# Altium PCB Project_board_V3.0.PcbDoc (part 2 of 2)
Units mil, origin at the board's own origin, x right, y up, seen from the top; angles counter-clockwise.
Board outline 3937.01 x 3937.01 mil, 2 copper layers (Top Layer, Bottom Layer); 202 components, 148 nets, 781 pads, 340 vias.
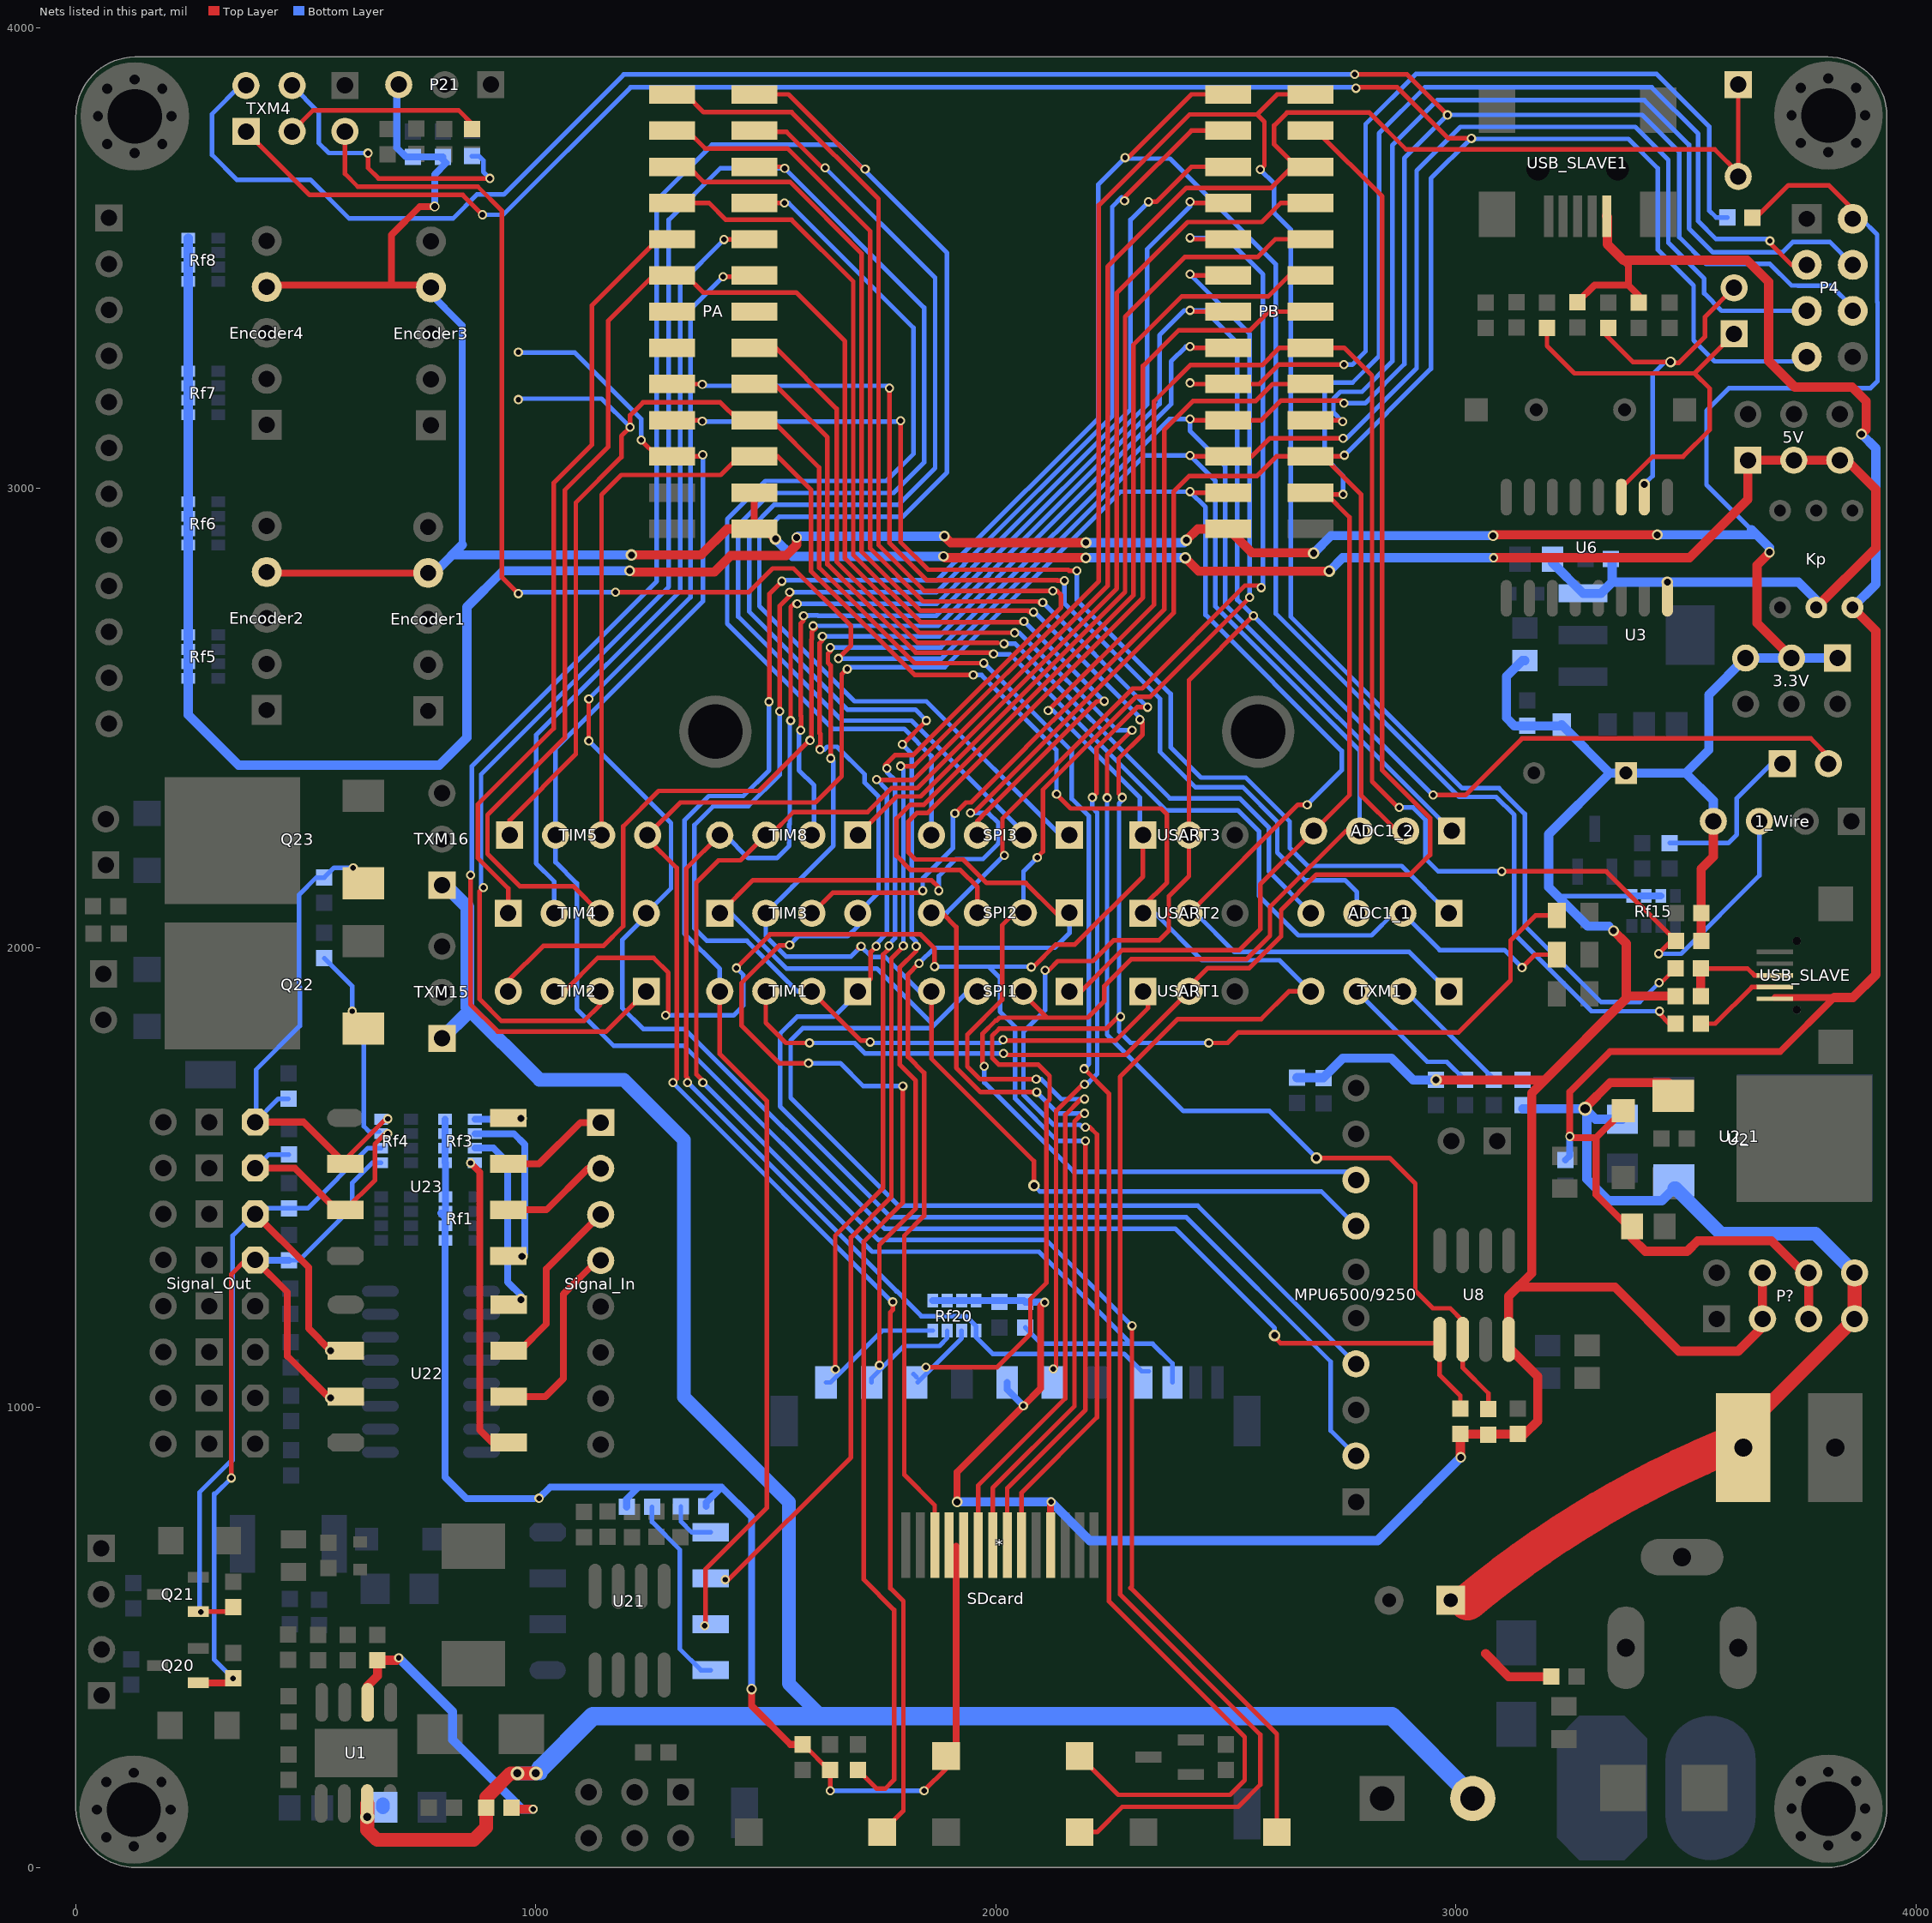
[diagram p2: the nets of this part, all layers, seen from the top]

## Via types
v1: diameter 20, hole 12, Top Layer to Bottom Layer, 222 vias
v2: diameter 25, hole 15, Top Layer to Bottom Layer, 33 vias
v3: diameter 20, hole 13, Top Layer to Bottom Layer, 25 vias
v4: diameter 23, hole 15, Top Layer to Bottom Layer, 15 vias
v5: diameter 18, hole 12, Top Layer to Bottom Layer, 12 vias
v6: diameter 22, hole 10, Top Layer to Bottom Layer, 12 vias
v7: diameter 30, hole 18, Top Layer to Bottom Layer, 10 vias
v8: diameter 23, hole 14, Top Layer to Bottom Layer, 5 vias
v9: diameter 30, hole 15, Top Layer to Bottom Layer, 1 vias
v10: diameter 50, hole 25, Top Layer to Bottom Layer, 1 vias
v11: diameter 24, hole 14, Top Layer to Bottom Layer, 1 vias
v12: diameter 20, hole 11.8, Top Layer to Bottom Layer, 1 vias
v13: diameter 30, hole 20, Top Layer to Bottom Layer, 1 vias
v14: diameter 22, hole 15, Top Layer to Bottom Layer, 1 vias

## Nets (pads, with @x,y where several pads share a name; then routed paths per layer and width w, separated by ;. In a path a pad name is that pad's centre, name@x,y a point inside that pad or via, vN(x,y) a via of type N, cw(c..) or ccw(c..) an arc to the next point about the centre after c; other vN are vias at no path point) (continued)
NetR5_1: R5.1 R6.2 U1.2 | length 660.8
  Top Layer w20: U1.2@634.5,359 634.5,395.5 655.67,416.67 R6.2@655.67,450.88 696.88,450.88 v1(702,456) ; R5.1@947.56,130 950.56,127 v1(994,127)
  Bottom Layer w20: v1(702,456) 819,339 819,278 970,127 v1(994,127)
NetR19_1: R19.1 TXM3.1 | length 362.7
  Bottom Layer w10: R19.1@3465,2227.56 3592.56,2227.56 3611,2246 3611,2325 3686,2400 TXM3.1@3710,2400
NetR20_1: R20.1 TXM4.3 | length 457.9
  Top Layer w10: TXM4.3@470,3753 TXM4.3@470,3775 516,3821 832,3821 861.22,3791.78 R20.1@861.22,3780 R20.1@863,3780
NetR23_1: R23.1 TXM4.4 | length 645.4
  Top Layer w10: v1(635,3728) 635,3696 658,3673 v1(900,3673)
  Bottom Layer w10: TXM4.4@470,3875 528,3817 528,3750 550,3728 v1(635,3728) ; R23.1@861,3721.44 876.56,3721.44 886,3712 886,3687 v1(900,3673)
NetR33_1: R33.1 TXM1.3 | length 314.5
  Bottom Layer w10: TXM1.3@2785,1905 2938,1752 2980.31,1752 R33.1@3019.75,1712.56
NetR35_2: R35.2 R36.1 TXM1.2 | length 340.9
  Bottom Layer w10: TXM1.2@2885,1905 2892,1905 3082.38,1714.62 R35.2@3082.38,1712.56
  Bottom Layer w15: R35.2@3082.38,1712.56 R36.1@3145,1712.56
NetR51_1: R51.1 R53.1 USB_SLAVE.3 | length 227.3
  Top Layer w10: R51.1@3532.56,1954.75 3634.25,1954.75 3649,1940 USB_SLAVE.3@3693.9,1940
  Top Layer w20: R53.1@3532.56,1894.87 R51.1@3532.56,1954.75
NetR52_1: R52.1 USB_SLAVE.2 | length 194.2
  Top Layer w10: R52.1@3532.56,1835 3564,1835 3643.41,1914.41 USB_SLAVE.2@3693.9,1914.41
NetR55_2: R55.2 U21.1 | length 106.9
  Bottom Layer w10: R55.2@1315.44,785 1315.44,752.56 1339,729 U21.1@1380.17,729
NetR57_2: R57.2 U21.4 | length 420.3
  Bottom Layer w10: R57.2@1252.56,784 1252.56,751.44 1313,691 1313,475 1359,429 U21.4@1380.17,429
NetRf3_5: Rf3.5 U23.4 | length 101.2
  Bottom Layer w15: Rf3.5@867.5,1627.24 966.24,1627.24 v2(968,1629)
NetRf3_6: Rf3.6 U23.1 | length 363.8
  Bottom Layer w15: Rf3.6@867.5,1595.75 952.25,1595.75 976,1572 976,1335 v2(970,1329)
NetRf3_7: Rf3.7 U22.4 | length 394.5
  Bottom Layer w15: Rf3.7@867.5,1564.25 907.75,1564.25 939,1533 939,1273 968,1244 v2(968,1235)
NetRf3_8: Rf3.8 U22.1 | length 663.6
  Top Layer w15: v1(858,1532) 878,1512 878,951 905,924 U22.1@941.17,924
NetSignal_In_1: Signal_In.1 U23.3 | length 238.1
  Top Layer w15: U23.3@940.17,1530 1007,1530 1097,1620 Signal_In.1@1141,1620
NetSignal_In_2: Signal_In.2 U23.2 | length 238.1
  Top Layer w15: U23.2@940.17,1430 1023,1430 1113,1520 Signal_In.2@1141,1520
NetSignal_In_3: Signal_In.3 U22.3 | length 392.7
  Top Layer w15: U22.3@941.17,1124 965,1124 1023,1182 1023,1302 Signal_In.3@1141,1420
NetSignal_In_4: Signal_In.4 U22.2 | length 430.2
  Top Layer w15: U22.2@941.17,1024 1021,1024 1060,1063 1060,1247 1133,1320 Signal_In.4@1141,1320
PA0: K1.2 PA.10 TIM5.1 | length 5535.8
  Top Layer w10: TIM5.1@943,2245 943,2277 1087,2421 1087,2968 1186,3067 1186,3113 v1(1205,3132) 1205,3158 1233,3186 1401,3186 1439.95,3147.05 PA.10@1474.87,3147.05 1512.95,3147.05 1615.93,3044.07 1615.93,2826.53 1823.46,2619 v1(1974,2619) ; v1@958.5,3195.5 v1(962,3192) ; K1.2@2182,242.24 2266.24,158 2509,158 2541,190 2541,284 2246,579 2246,1683 v1(2192,1737)
  Bottom Layer w10: TIM5.1@943,2245 TIM5.1@961,2245 ; v1@962,3194 1143,3194 v1(1205,3132) ; v1(1974,2619) 2165,2428 2165,2324 2202.53,2286.47 2202.53,1747.53 v1(2192,1737)
PA1: K2.2 PA.16 TIM5.2 | length 4605.7
  Top Layer w10: v1(1229,3104) 1264.69,3068.31 PA.16@1296.13,3068.31 1359.31,3068.31 v3(1363,3072) ; v1(2296,1178) 2296,611 2293,608 2611,290 K2.2@2611,77.24
  Bottom Layer w10: v1@962,3294 1085,3294 1229,3150 v1(1229,3104) ; v3(1363,3072) 1363,2753 1043,2433 TIM5.2@1043,2245 1043,2186 1089,2140 1089,1867 1169,1787 1322,1787 1744,1365 2109,1365 v1(2296,1178)
  other v1: 962,3295
PA2: K3.2 PA.11 TIM5.3 TXM1.4 USART2.1 | length 5750.7
  Top Layer w10: TIM5.3@1143,2245 1143,2985 1186,3028 1402,3028 1442.31,3068.31 PA.11@1474.87,3068.31 1525.69,3068.31 1597.93,2996.07 1597.93,2819.07 1824,2593 v1(1951,2593) ; v1(2132,2334) 2163,2303 2359,2303 2372,2290 2372,2142 2320,2090 USART2.1@2320,2075 ; K3.2@2182,77.24 2220.24,77.24 2275,132 2527,132 2575,180 2575,289 2270,594 2270,1719 2396,1845 2577,1845 2637,1905 TXM1.4@2685,1905
  Bottom Layer w10: v1(1951,2593) 1969,2593 2132,2430 v1(2132,2334) ; USART2.1@2320,2075 2346,2075 2448,1973 2617,1973 TXM1.4@2685,1905
PA3: K4.2 PB.15 TIM5.4 TXM1.1 USART2.2 | length 5970.9
  Top Layer w10: v1(1298,1707) 1306.51,1715.51 1306.51,2173.49 1243,2237 TIM5.4@1243,2245 1314,2316 1608,2316 1665,2373 1665,2595 1676,2606 v1(1677,2606) ; K4.2@1753,77.24 1799,123.24 1799,579 1771,607 1771,1207.57 1776,1212.57 v1(1776,1230) ; USART2.2@2420,2075 2421,2075 2657,2311 v1(2677,2311) ; v1(2422,2991.83) 2424.27,2989.57 PB.15@2505.13,2989.57
  Bottom Layer w10: v1@1299,1707 1299,1705 1774,1230 v1(1776,1230) ; v1(1677,2606) 1677,2607 1680,2610 1889,2610 2270.83,2991.83 v1(2422,2991.83) 2456,2957.83 2456,2724 2752,2428 2752,2386 v1(2677,2311) ; USART2.2@2420,2075 2435,2075 2519,1991 2899,1991 TXM1.1@2985,1905
PA4: ADC1_2.4 P4.3 PB.12 SPI1.1 | length 3690.4
  Top Layer w10: SPI1.1@2160,1905 2185,1905 2275,1995 2530,1995 2575,2040 2575,2138 ADC1_2.4@2691,2254 2769,2332 2769,2936 PB.12@2719,2986 ; PB.12@2705,2989.57 2708.57,2986 PB.12@2719,2986 ; v1(2755,2986) PB.12@2719,2986 ; v1(3683,3537) 3683,3532 3730,3485 P4.3@3763,3485
  Bottom Layer w10: v1(2755,2986) 2755,3026 2715,3066 2715,3211 2733,3229 2775.54,3229 2833,3286.46 2833,3771 2933,3871 3426,3871 3527,3770 3527,3580 3566,3541 3679,3541 v1(3683,3537)
PA5: ADC1_2.3 MPU6500/9250.8 P4.5 PB.16 SPI1.2 TXM25.2 | length 8455.7
  Top Layer w10: TXM25.2@585,3775 585,3683 613,3655 874,3655 926,3603 926,2806 v1(962,2770) ; v1(1173,2773) 1463,2773 1515,2825 1560,2825 1685,2700 1685,2657 1658,2630 v1(1658,2629) ; v1@1971,1751 1971,1812.98 2000.02,1842 2002,1842 2008,1848 2111,1848 ; SPI1.2@2060,1905 2060,1899 2111,1848 ; v1(2422,3070.67) 2424.36,3068.31 PB.16@2505.13,3068.31 2556.31,3068.31 2596,3108 v1(2755,3108) ; ADC1_2.3@2791,2254 2761,2254 2596,2089 2596,2026 2545,1975 2294,1975 2236,1917 2236,1884 2200,1848 2111,1848
  Bottom Layer w10: TXM25.2@585,3775 TXM25.2@585,3791 ; v1(962,2770) 965,2773 v1(1173,2773) ; v1(1658,2629) 1882,2629 2323.67,3070.67 v1(2422,3070.67) 2477,3015.67 2477,2742.54 2791,2428.54 ADC1_2.3@2791,2254 ADC1_2.3@2791,2273 ; v1(1975,1742) 1975,1707 2169,1513 2765,1513 MPU6500/9250.8@2783,1495 ; v1(2755,3108) 2763,3108 2915,3260 2915,3690 3010,3785 3390,3785 3462,3713 3462,3533 3540,3455 3540,3423 3578,3385 P4.5@3763,3385
PA6: ADC1_2.2 MPU6500/9250.4 P4.7 PB.11 SPI1.3 TIM3.1 TXM4.1 | length 10429.7
  Top Layer w10: TXM4.1@370,3775 508,3637 841,3637 v3(884,3594) ; TIM3.1@1400,2075 1472,2147 1860,2147 1876,2131 v1(1876,2124) ; 1955,2296.54 2386.5,2728.04 2386.5,2991.81 2420.69,3026 2568,3026 2610.31,3068.31 PB.11@2683.87,3068.31 PB.11@2711.69,3068.31 ; v1@2755.31,3068.31 PB.11@2711.69,3068.31 ; v1@2783,3871 2873,3871 2984,3760 v1(3034,3760) ; ADC1_2.2@2891,2254 2872,2254 2794,2332 2794,2986 PB.11@2711.69,3068.31
  Bottom Layer w10: v3(884,3594) 929,3594 1206,3871 v1@2783,3871 ; TIM3.1@1400,2075 1424.54,2075 1544.54,1955 1741,1955 1865,1831 1939,1905 SPI1.3@1960,1905 ; 1873,1839 1859,1825 1580,1825 1554,1799 1554,1674 1789,1439 2439,1439 MPU6500/9250.4@2783,1095 ; v1(1876,2124) 1876,2156 1913,2193 1972,2193 2005,2226 2005,2272 1984,2293 v1(1945,2293) ; v1(2758,3071) 2946,3259 2946,3673 3032,3759 3375,3759 3439,3695 3439,3518 3517,3440 3517,3321 3563,3275 3753,3275 P4.7@3763,3285
  other v1: 2783,3869
PA7: ADC1_2.1 MPU6500/9250.7 P4.6 PB.17 SPI1.4 TIM3.2 TXM4.2 | length 9882.9
  Top Layer w10: v1(1640,2653) 1640,2644.53 1635,2639.53 1635,2619.47 1641,2613.47 v1(1641,2412) ; v1@1701,1999 v1@1707,2005 ; SPI1.4@1860,1905 1860,1759 2083,1536 v2(2083,1483) ; v1(2422,3149.5) 2424.45,3147.05 PB.17@2505.13,3147.05 2577.05,3147.05 2620,3190 2751,3190 v1(2757,3184) ; v1(2780,3899) 2894,3899 v1(2982,3811)
  Bottom Layer w10: TXM4.2@379,3875 TXM4.2@370,3875 358,3875 296,3813 296,3724 350,3670 510,3670 594,3586 820,3586 872,3638 930,3638 1191,3899 v1(2780,3899) ; 1557.47,2132.53 1647,2222.06 1647,2406 v1(1641,2412) ; 1557.5,2132.5 TIM3.2@1500,2075 1500,2025 1544,1981 1685,1981 v1(1707,2003) 1730,1980 1759.47,1980 1834.47,1905 SPI1.4@1860,1905 ; v1(1640,2653) 1880.54,2653 2377.04,3149.5 v1(2422,3149.5) 2422,3124 2499,3047 2499,2746 ADC1_2.1@2991,2254 ; v2(2083,1483) 2096,1470 2708,1470 MPU6500/9250.7@2783,1395 ; v1(2757,3184) 2803,3184 2888,3269 2888,3717 v1(2982,3811) 3405,3811 3486,3730 3486,3545 3544,3487 3683,3487 3730,3440 3743.65,3440 3744.15,3439.5 3816.5,3439.5 3863,3393 P4.6@3863,3385
PA8: MPU6500/9250.2 PB.3 TIM1.1 X1.1 X1.2 | length 5840.3
  Top Layer w10: TIM1.1@1700,1905 1728,1933 1728,1991 v1(1740,2003) ; v1@1744.09,2369 1748.09,2365 1821.46,2365 2243,2786.54 2243,3481 2414.49,3652.49 2598.49,3652.49 2644.23,3698.23 PB.3@2653.77,3698.23 ; PB.3@2711.77,3698.23 PB.3@2683.87,3698.23 PB.3@2653.77,3698.23 ; X1.1@3614,3877 X1.2@3614,3677 3614,3685 3563,3736 2892,3736 2812,3816 2633,3816 2605,3788 2605,3747 PB.3@2653.77,3698.23
  Bottom Layer w10: TIM1.1@1700,1905 1700,1902 1648,1850 1568,1850 1531,1813 1531,1655 1772,1414 2414,1414 2728,1100 2728,950 MPU6500/9250.2@2783,895 ; v1(1740,2003) 1740,2008.53 1763,2031.53 1763,2343.91 v1(1741,2365.91) v1@1740,2366.91
PA9: PB.25 TIM1.2 USART1.1 | length 3655.2
  Top Layer w10: v1(1530,2514) 1530,2743 1552,2765 v1(1552,2773) ; TIM1.2@1600,1905 1707,1798 1724,1798 v1(1727,1795) ; v1(2016,1800) 2018,1798 2260,1798 2331,1869 USART1.1@2331,1900 ; v1(2280,3624) 2280,3631.77 2425.2,3776.97 PB.25@2505.13,3776.97
  Bottom Layer w10: v1(1530,2514) 1530,2376 1462,2308 1386,2308 1345,2267 1345,2042 1372,2015 1459.09,2015 1569.09,1905 TIM1.2@1600,1905 ; v1(1552,2773) 1870.98,2773 1931,2833.02 1931,2833.82 2253,3155.82 2253,3611.17 2273.83,3632 2280,3625.83 v1(2280,3624) ; v1@1734,1793 2009,1793 v1(2016,1800)
PA10: PB.2 TIM1.3 USART1.2 | length 3493
  Top Layer w10: TIM1.3@1500,1905 1500,1837 1544,1793 v1(1595,1793) ; v1(2017,1770) 2020,1767 2282,1767 USART1.2@2420,1905 2420,1915 2461,1956 2551.46,1956 2620.23,2024.77 2620.23,2082.23 2697,2159 2901,2159 2944,2202 2944,2282 2840,2386 2840,3634 2697.03,3776.97 PB.2@2683.87,3776.97 PB.2@2641.97,3776.97
  Bottom Layer w10: v1(1595,1793) 1693,1793 1716,1770 v1(2017,1770)
PA11: PB.26 R52.2 TIM1.4 U21.3 | length 6811.7
  Top Layer w10: v1@1369,532 1369,649 1502,782 1502,1667 1400,1769 TIM1.4@1400,1905 ; v1(1507,2535) 1508,2536 1508,2770 v1(1535,2797) ; v1(2281,3718) 2287.58,3718 2425.29,3855.71 PB.26@2505.13,3855.71 ; v1(3443,1862) 3443,1856 3464,1835 R52.2@3477.44,1835
  Bottom Layer w10: TIM1.4@1400,1905 1400,1954 1323,2031 1323,2277 1376,2330 1451,2330 1507,2386 v1(1507,2535) v1@1507,2539 ; v1(1535,2797) 1537,2799 1871.53,2799 1913,2840.47 1913,2841.28 2223,3151.28 2223,3660 2279,3716 2379,3716 2609,3486 2609,2726.54 3007.54,2328 3087.54,2328 3127,2288.54 3127,2030 3295,1862 v1(3443,1862)
  other v1: 1367,526
PA12: PB.1 R51.2 U21.2 | length 6425.6
  Top Layer w10: v1@1415,622 1685,892 1685,1370 1773,1458 1773,1976.47 1799,2002.47 v1(1799,2004) ; v1(1793,2395) 1822,2395 2224,2797 2224,3614.69 2421.31,3812 2568,3812 ; v1(2575,3692) 2584,3701 2584,3796 2568,3812 ; PB.1@2714.29,3855.71 PB.1@2683.87,3855.71 2611.71,3855.71 2568,3812 ; v1(3442,1924) 3446.69,1924 R51.2@3477.44,1954.75
  Bottom Layer w10: v1(1793,2395) 1799,2389 v1(1799,2004) ; v1(2575,3692) 2605,3662 2605,3598 2641,3562 2641,2720 3014,2347 3094,2347 3150,2291 3150,2048 3316,1882 3400,1882 v1(3442,1924)
  other v1: 1412,626
PA15: PA.1 SPI3.1 TIM2.1 | length 5418.8
  Top Layer w10: v1(858,2158) 858,1877 917,1818 1153,1818 TIM2.1@1240,1905 ; PA.1@1474.87,3855.71 1549.29,3855.71 1712,3693 v1(1716,3693)
  Bottom Layer w10: v1@861,2158 861,2395 1263,2797 1263,3626 1383,3746 1659,3746 1894,3511 1894,3034 1797,2937 1529,2937 1486,2894 1486,2743 1693,2536 1849,2536 2140,2245 SPI3.1@2160,2245
PB0: PB.9 TIM3.3 | length 1882.4
  Top Layer w10: TIM3.3@1600,2075 1601,2075 1646,2120 1837,2120 v1(1841,2124) ; v1(1911,2292) 1935,2316 1946.53,2316 2065,2434.47 2065,2435 2123,2493 2123.53,2493 2366,2735.47 2366,3126.03 2428.97,3189 2565,3189 2601.79,3225.79 PB.9@2683.87,3225.79 PB.9@2719.21,3225.79
  Bottom Layer w10: v1(1841,2124) 1841,2151 1907,2217 1907,2288 v1(1911,2292)
PB1: PB.19 R31.1 TIM3.4 | length 4414.9
  Top Layer w10: v1(1552,2006) 1551,2005 1529,2005 1447,1923 1447,1831 1529,1749 v1(1593,1749) ; v1(1618,2431) 1613.26,2435.74 1619,2441.47 1619,2464.74 1617,2466.74 1617,2662.53 1623,2668.53 v1(1623,2677) ; R31.1@1700,212.44 1741,171.44 1759.44,171.44 1779,191 1779,560 1713,626 1713,1361 1798,1446 v1(1798,1699) ; v1(2422,3307.17) 2424.64,3304.53 PB.19@2505.13,3304.53
  Bottom Layer w10: v1(1552,2006) 1571,2025 1678,2025 1700,2047 TIM3.4@1700,2075 1745,2120 1745,2329 1715,2359 1715,2377 1655,2437 1633.47,2437 1627.47,2431 v1(1618,2431) ; v1(1593,1749) 1662,1749 1712,1699 v1(1798,1699) ; v1(1623,2677) 1876.81,2677 2003,2803.19 2003,2804 2381,3182 2381,3275 2413.17,3307.17 v1(2422,3307.17)
PB3: PA.3 SPI3.2 TIM2.2 | length 4802.9
  Top Layer w10: v1(886,2131) 878,2123 878,1888 925,1841 1105,1841 1140,1876 TIM2.2@1140,1905 ; PA.3@1474.87,3698.23 1537.77,3698.23 v3(1541,3695)
  Bottom Layer w10: v1@881,2131 881,2377 1289,2785 1289,3583 1401,3695 v3(1541,3695) 1844,3392 1844,3055 1778,2989 1510,2989 1440,2919 1440,2720 1666,2494 1816.47,2494 2060,2250.47 SPI3.2@2060,2245
PB4: PA.23 SPI3.3 | length 2153.4
  Top Layer w10: PA.23@1296.13,3619.49 1376.51,3619.49 1413,3583 1556,3583 1690,3449 1690,2854.28 1836.28,2708 2059,2708 v1(2061,2710) ; SPI3.3@1960,2245 1960,2275.47 1968,2283.47 1968,2284.09 2219.91,2536 v1(2236,2536)
  Bottom Layer w10: v1(2061,2710) 2235,2536 v1(2236,2536)
PB5: PA.4 SPI3.4 | length 2158.7
  Top Layer w10: PA.4@1474.87,3619.49 v1(1540.51,3619.49)
  Bottom Layer w10: v1(1540.51,3619.49) 1549.51,3619.49 1821,3348 1821,3074 1762,3015 1499,3015 1416,2932 1416,2705 1645,2476 1801,2476 1860,2417 SPI3.4@1860,2245
PB6: PA.22 TIM4.1 | length 1684.3
  Top Layer w10: TIM4.1@940,2075 940,2129 874,2195 874,2312 1039,2477 1039,3011 ; 1040,3012 1122,3094 1122,3397 1265.75,3540.75 PA.22@1296.13,3540.75
PB7: PA.5 TIM4.2 | length 1716.8
  Top Layer w10: v1(1409,3540) 1474.13,3540 PA.5@1474.87,3540.75
  Bottom Layer w10: TIM4.2@1040,2075 1040,2144 1000.47,2183.53 1000.47,2462.47 1314,2776 1314,3445 v1(1409,3540)
PB8: PA.21 R25.1 TIM4.3 U8.6 | length 5499.4
  Top Layer w10: TIM4.3@1140,2075 1081,2134 965,2134 895,2204 895,2289 1063,2457 1063,2995 1157,3089 1157,3363 1256.01,3462.01 PA.21@1296.13,3462.01 1326.99,3462.01 1364,3425 1566,3425 1672,3319 1672,2846.82 1833.82,2685 v1(2041,2685) ; v1(2242,2326) 2242,2419 v1(2296,2473) ; v2(2697,1543) 2856,1543 2912,1487 2912,1254 2950,1216 2988,1216 3015,1189 U8.6@3015,1148.54 3015,1087 3071,1031 R25.1@3071,996.56
  Bottom Layer w10: v1(2041,2685) 2051,2685 2263,2473 v1(2296,2473) ; v1(2242,2326) 2242,1811 2408,1645 2595,1645 v2(2697,1543)
PB9: PA.6 R26.1 TIM4.4 U8.5 | length 4162
  Top Layer w10: v1(1115,2450) v1(1115,2541) ; v1(1407,3459) 1471.87,3459 PA.6@1474.87,3462.01 ; v2(2606,1157) 2606,1153 2619,1140 2956.46,1140 U8.5@2965,1148.54 2965,1071 3010,1026 R26.1@3010,997.56
  Bottom Layer w10: v1(1115,2450) 1294,2271 1294,2129 TIM4.4@1240,2075 1240,2069 1188,2017 1188,1869 1234,1823 1324,1823 1758,1389 2390,1389 2606,1173 v2(2606,1157) ; v1(1115,2541) 1336,2762 1336,3388 v1(1407,3459)
PB10: 1_Wire.3 *.7 PB.8 R29.1 TIM2.3 USART3.1 | length 7111.9
  Top Layer w10: TIM2.3@1040,1905 1061.5,1905 1134.5,1978 1256,1978 1288,1946 1288,1859.49 1282,1853.49 v1(1282,1853) ; v1(1436,1956) 1509,2029 1836,2029 1867,1998 v1(1867,1959) ; *.7@2024.75,701 2024.75,824.75 2195,995 v1(2195,1580) ; v1(2077,1958) 2081.47,1958 2130.47,2007 2172,2007 2320,2155 USART3.1@2320,2245 ; v1(2114,2516) 2344,2746 2344,3188 2423,3267 2579,3267 2616.53,3304.53 PB.8@2683.87,3304.53 2757.47,3304.53 2818,3244 2818,2361.69 2874.69,2305 v1(2877,2305) ; v1(3100,2166) 3327.07,2166 R29.1@3478.44,2014.63 3468.63,2014.63 v1(3441,1987)
  Bottom Layer w10: v1(1282,1853) 1430,1853 1451,1874 1451,1941 v1(1436,1956) ; v1(1867,1959) 1985,1959 ; v1(2077,1958) 2076,1959 1985,1959 ; v1(2114,2516) 2124,2516 2313,2327 2313,2252 USART3.1@2320,2245 ; v1(2195,1580) 2134,1580 2042,1672 2042,1824.46 2043,1825.46 2043,1827 2009,1861 2009,1935 1985,1959 ; v1(2877,2305) 2907,2305 2934,2278 2934,2194 2962,2166 v1(3100,2166) ; v1(3441,1987) 3490,1987 3660,2157 1_Wire.3@3660,2275
PB11: *.6 PB.20 TIM2.4 TXM3.2 USART3.2 | length 7307.9
  Top Layer w10: TIM2.4@940,1905 940,1928 1016,2004 1147,2004 1190,2047 1190,2264 1267,2341 1485,2341 1595,2451 v1(1596,2451) ; v1@1599,2451 1599,2669.98 1600,2670.98 1600,2686.53 1608.24,2694.76 v1(1603,2700) ; *.6@2056.24,701 2056.24,815.24 2220,979 2220,1594 2204,1610 v1(2195,1610) ; v1(2107,1951) 2115,1951 2135,1971 2211,1971 2256,2016 2355,2016 2376,2037 2376,2112 2420,2156 USART3.2@2420,2245 2420,2582 v1(2560,2722) ; v1(2422,3386) 2424.73,3383.27 PB.20@2505.13,3383.27 ; v1(2951,2332) 3021,2332 3144,2455 3772,2455 3810,2417 TXM3.2@3810,2400
  Bottom Layer w10: v1(1603,2700) 1874.35,2700 1985,2810.65 1985,2811.46 2356,3182.46 2356,3332 2410,3386 v1(2422,3386) 2454,3386 2525,3315 2525,2756.47 2949.97,2331.5 v1@2950.5,2331.5 ; v1(2107,1951) 2107,1864 2060,1817 2060,1680 2125,1615 2183,1615 2193,1605 2197,1609 v1@2197,1610